# KiCad board PB-TMDSP.kicad_pcb
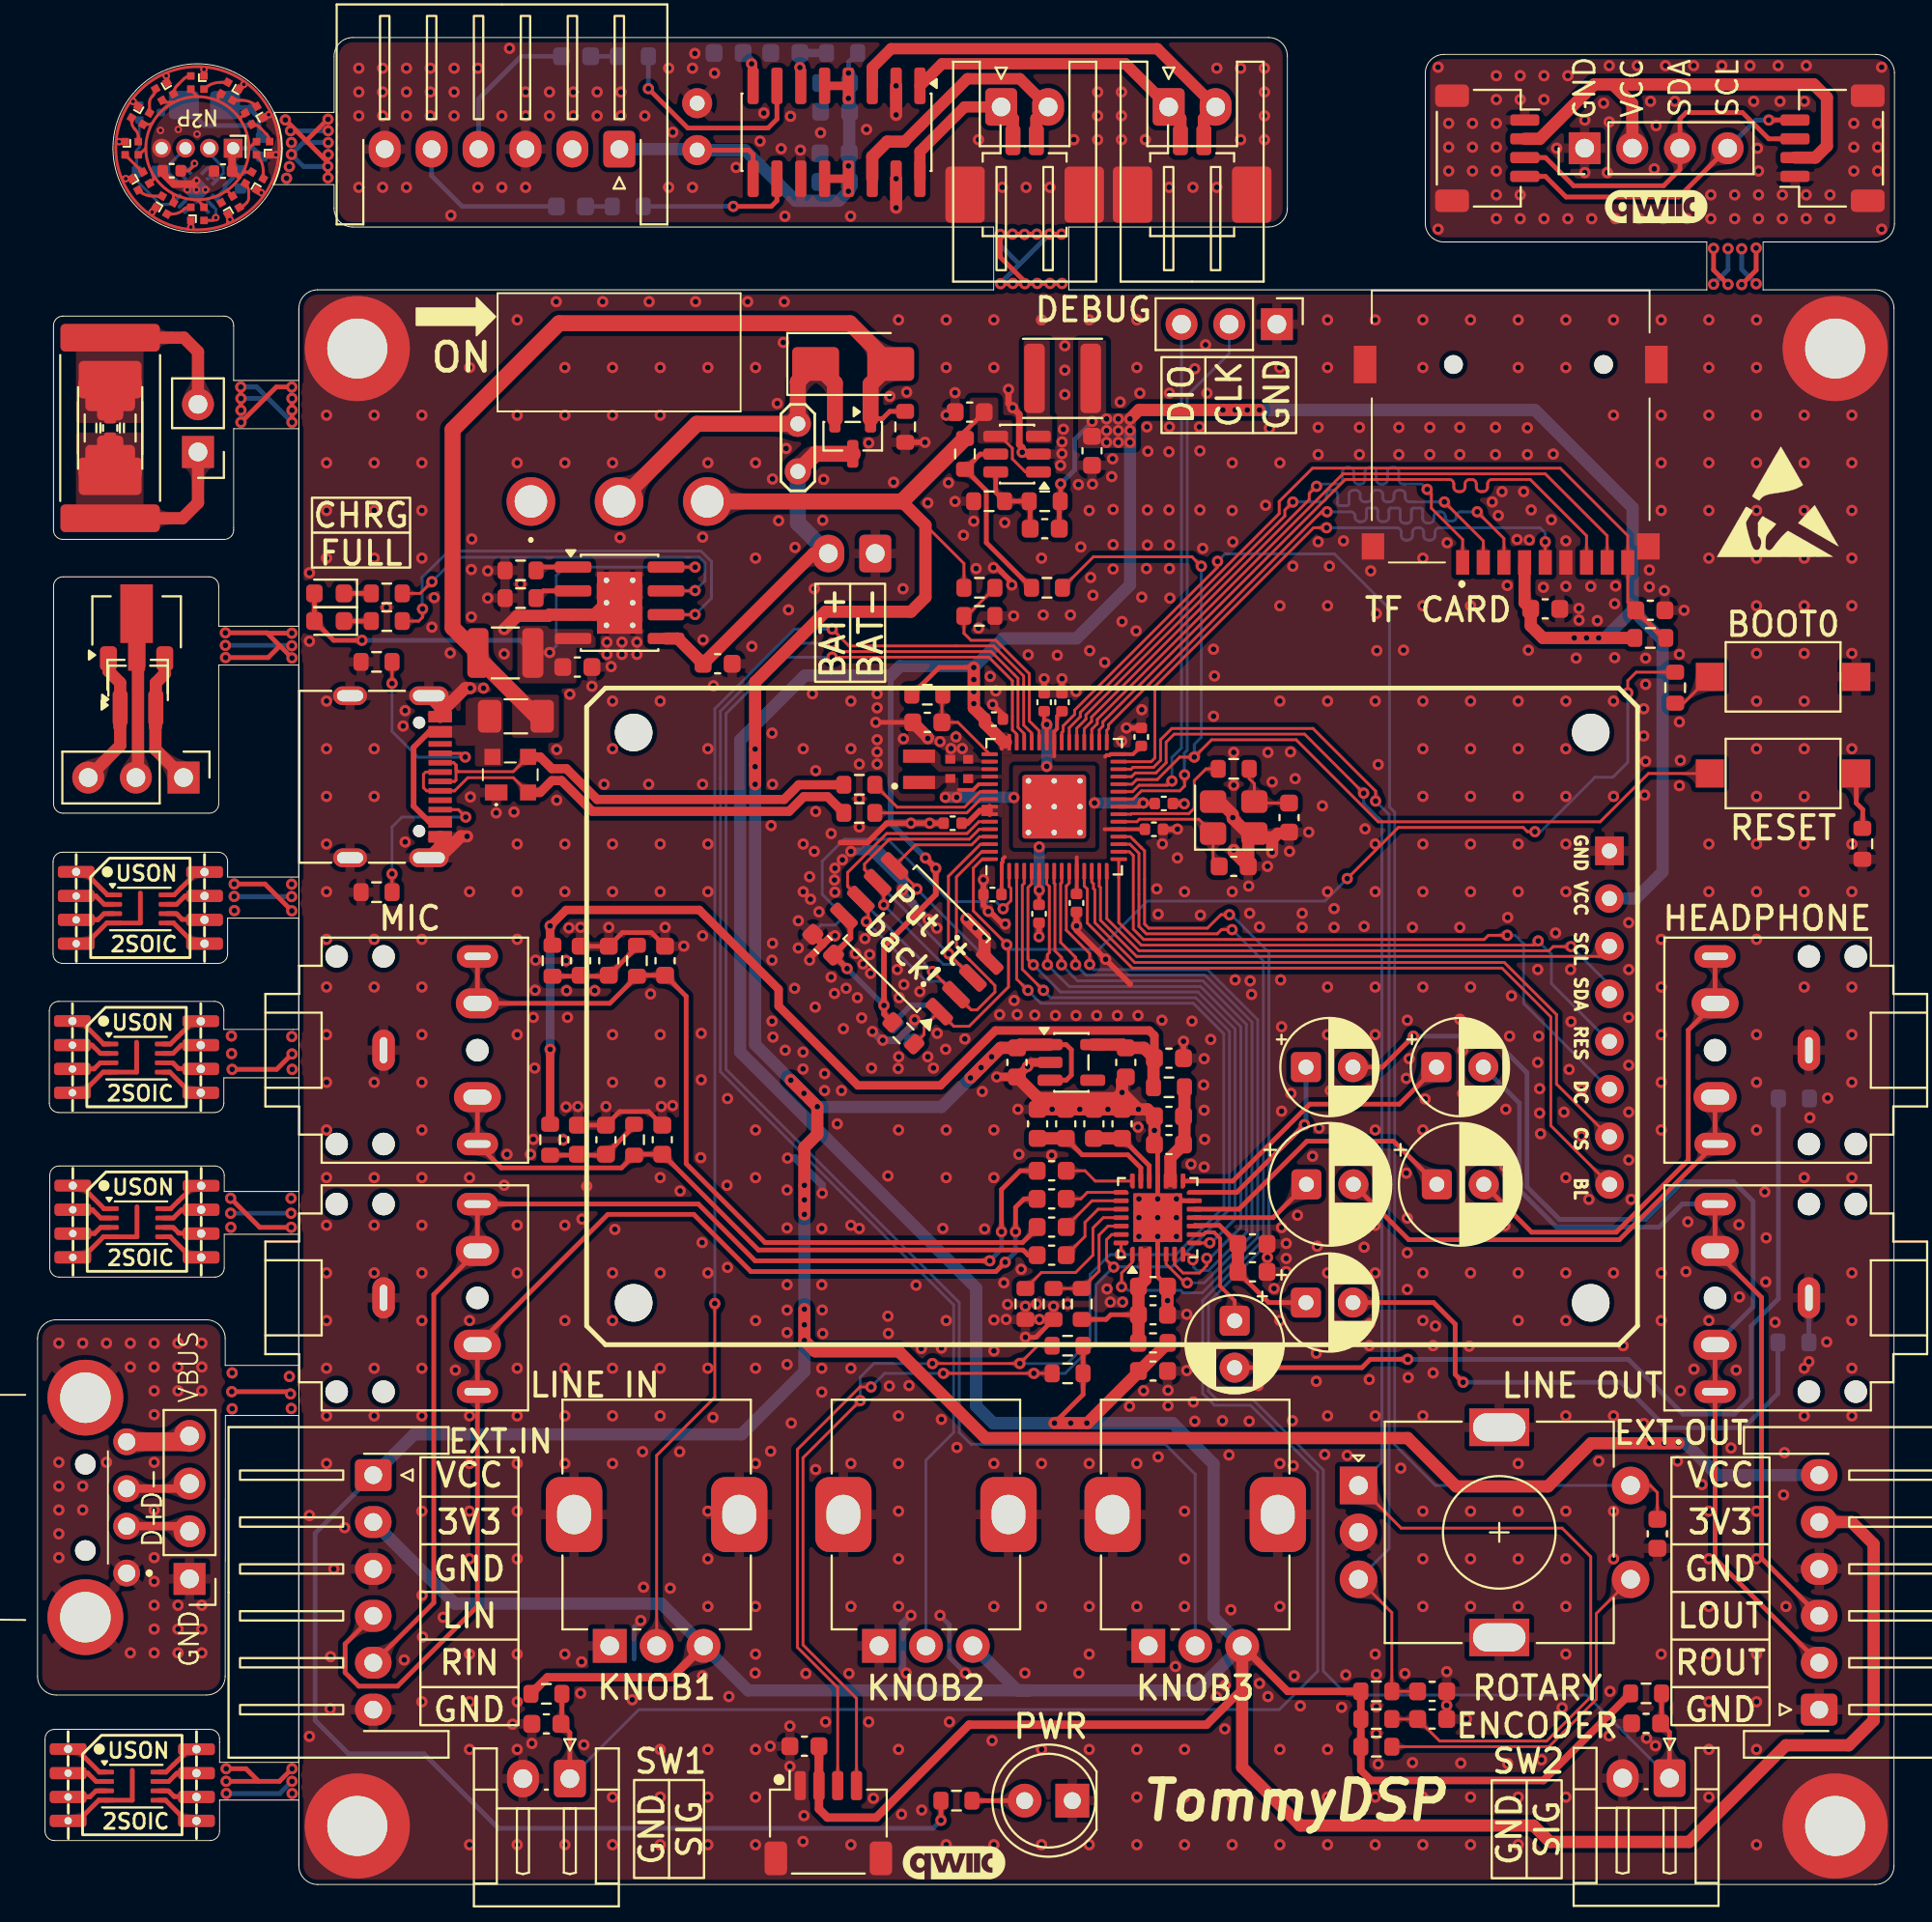
[diagram p0: board, top side]
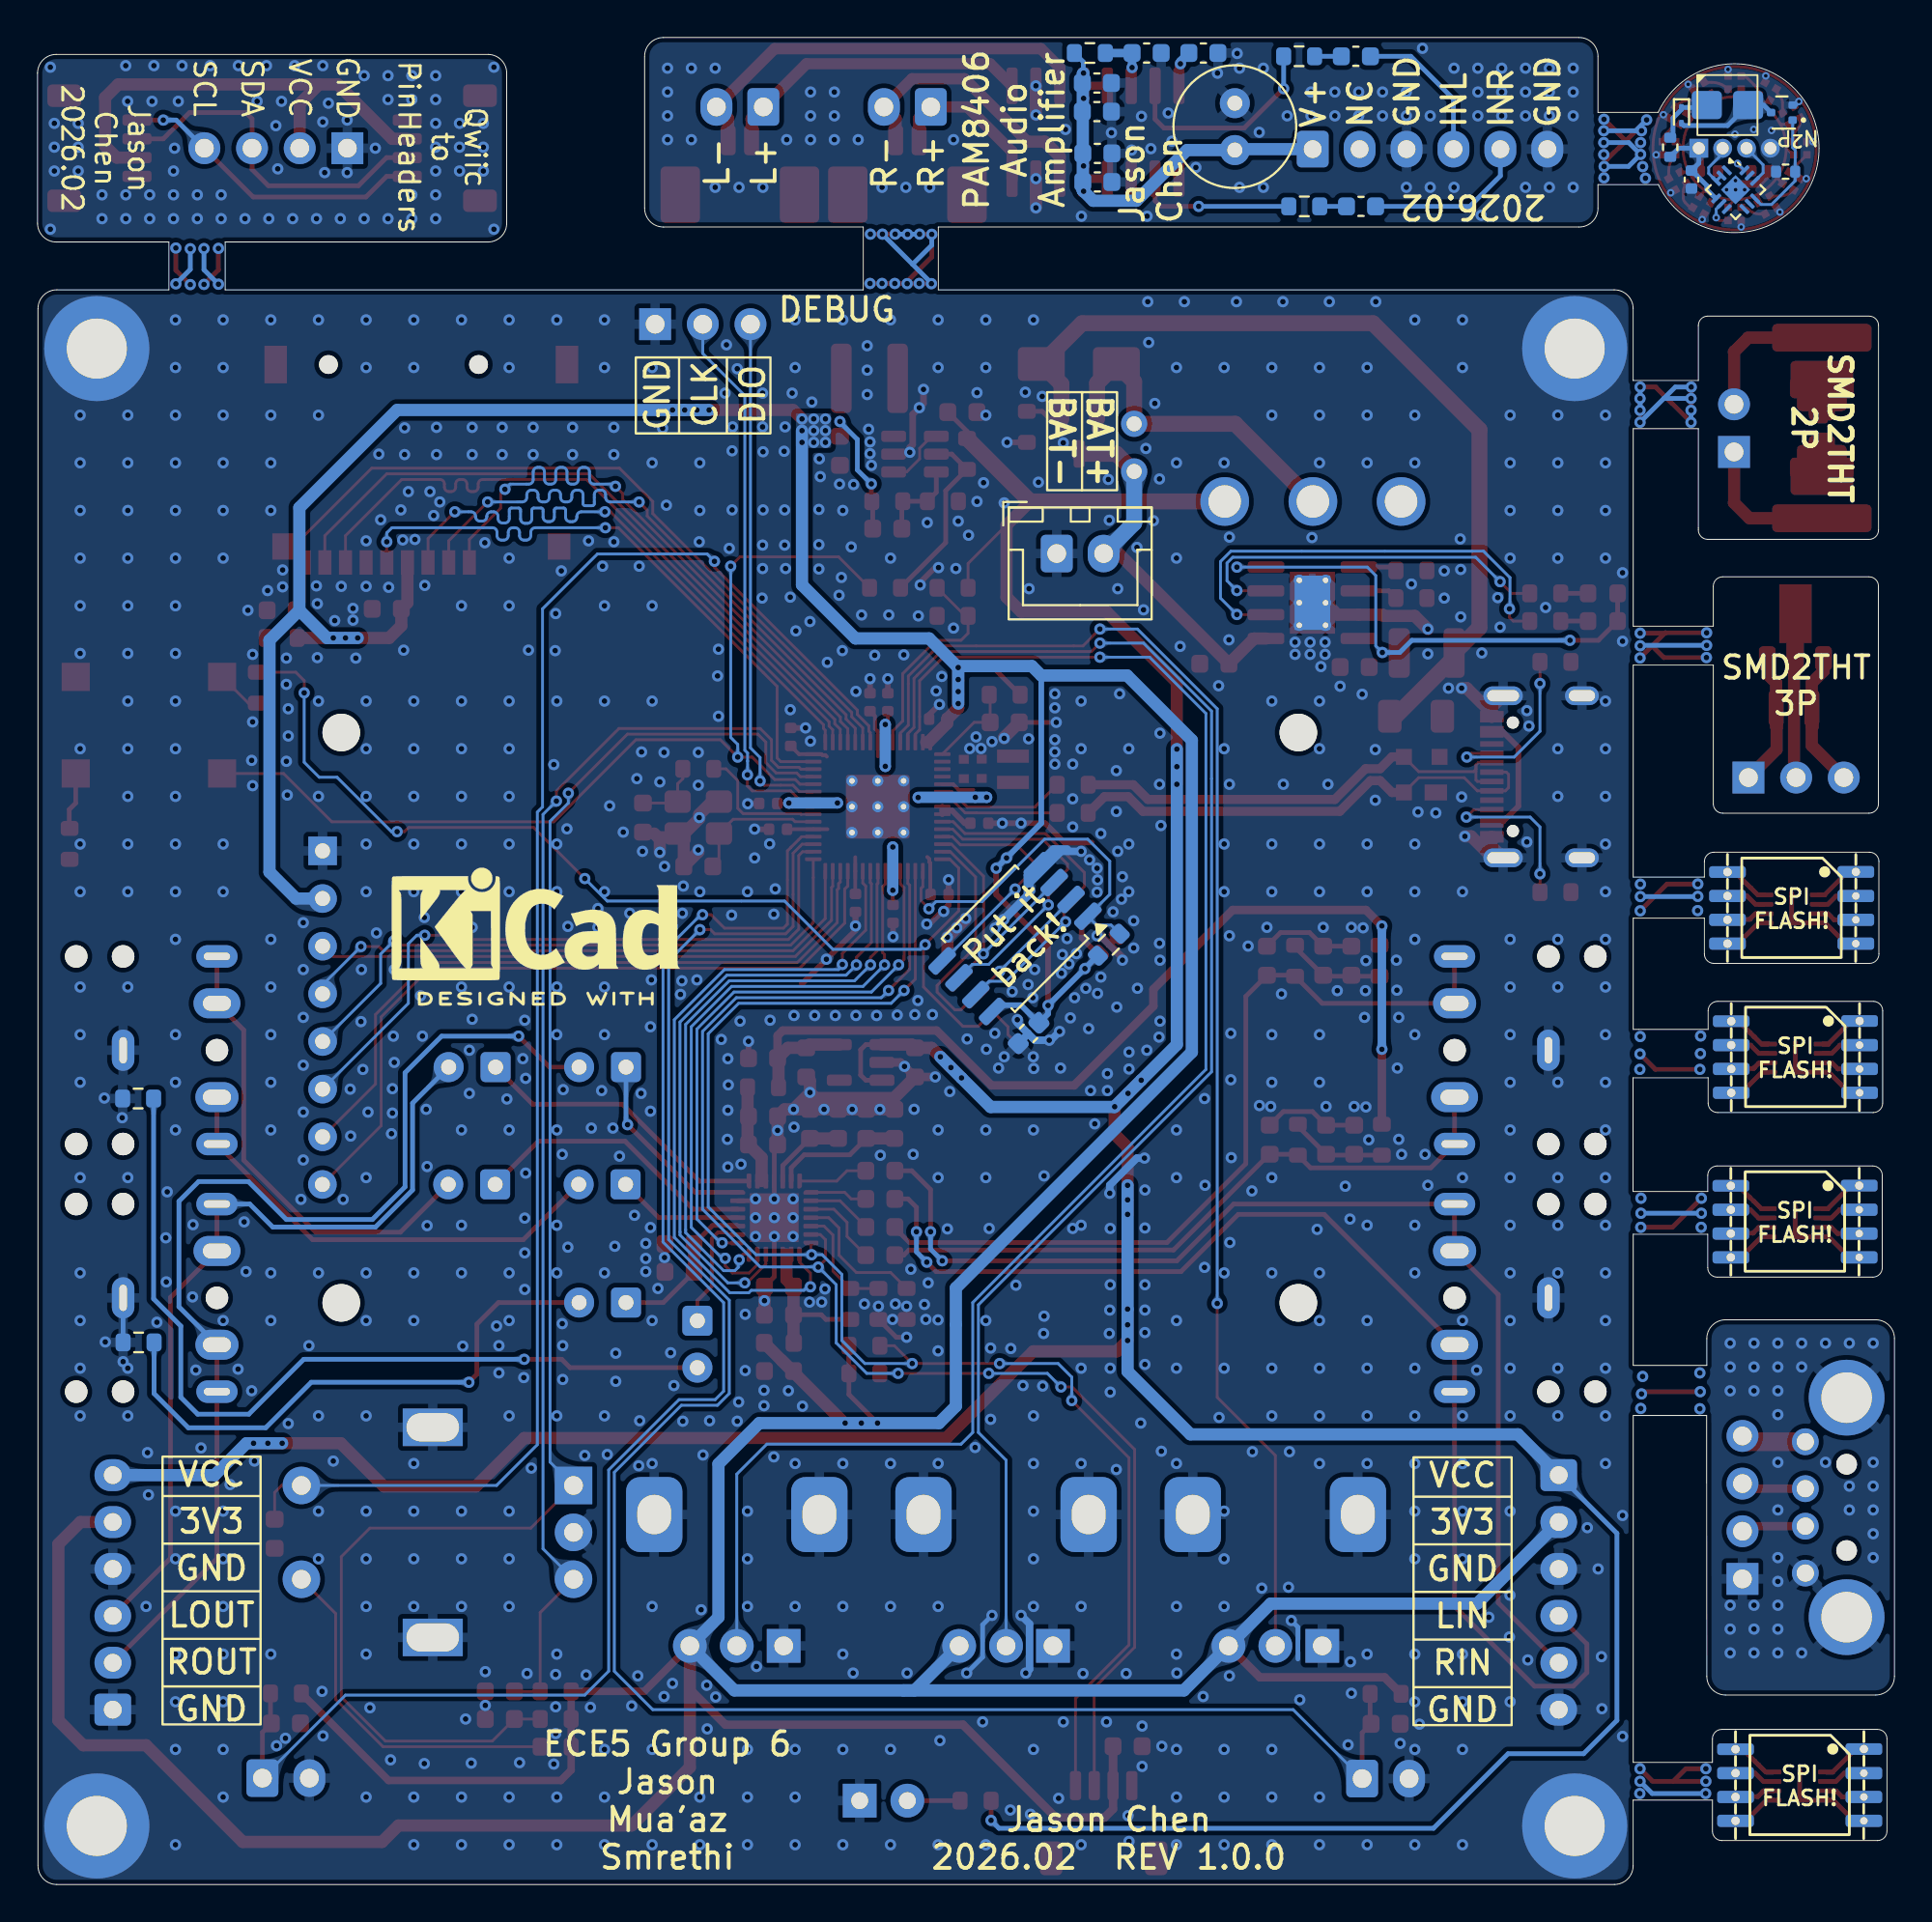
[diagram p1: board, bottom side, seen from below]

Outline 98.95 x 98.45 mm; copper layers: Top, Bottom. Coordinates in mm from the lower left corner of the outline.
Outline path: 9.7,7.77 arc(9.55,8.12) 9.2,8.27 0.9,8.27 arc(0.55,8.12) 0.4,7.77 0.4,2.84 arc(0.55,2.49) 0.9,2.34 9.2,2.34 arc(9.55,2.49) 9.7,2.84 9.7,4.5 13.93,4.5 13.93,1 arc(14.22,0.29) 14.93,0 97.93,0 arc(98.63,0.29) 98.93,1 98.93,84 arc(98.63,84.71) 97.93,85 ; 9.65,65 13.92,65 13.92,53.7 10.13,53.7 ; 9.65,67.07 9.65,69.2 arc(9.51,69.56) 9.15,69.7 1.35,69.7 arc(1,69.56) 0.85,69.2 0.85,57.6 arc(1,57.25) 1.35,57.1 9.15,57.1 arc(9.51,57.25) 9.65,57.6 9.65,65 ; 9.7,7.77 9.7,6.51 13.92,6.51 13.92,25 10.01,25 10,11.1 arc(9.71,10.39) 9,10.1 1,10.1 arc(0.29,10.39) 0,11.1 0,29.1 arc(0.29,29.81) 1,30.1 9,30.1 arc(9.71,29.81) 10,29.1 10,27.67 13.92,27.67 13.92,34.66 9.95,34.66 9.95,32.88 ; 9.93,45.58 9.93,46.57 arc(9.78,46.93) 9.43,47.07 1.13,47.07 arc(0.78,46.93) 0.63,46.57 0.63,41.65 arc(0.78,41.29) 1.13,41.15 9.43,41.15 arc(9.78,41.29) 9.93,41.65 ; 9.93,43 9.93,41.64 ; 9.93,43 13.93,43 ; 9.95,32.87 arc(9.8,32.52) 9.45,32.37 1.15,32.37 arc(0.8,32.52) 0.65,32.87 0.65,37.8 arc(0.8,38.15) 1.15,38.3 9.45,38.3 arc(9.8,38.15) 9.95,37.8 9.95,36.94 13.93,36.94 13.93,43 ; 10.13,53.7 10.13,54.52 arc(9.98,54.88) 9.63,55.02 1.33,55.02 arc(0.98,54.88) 0.83,54.52 0.83,49.6 arc(0.98,49.24) 1.33,49.1 9.63,49.1 arc(9.98,49.24) 10.13,49.6 10.13,51.51 ; 10.13,51.51 13.92,51.51 13.92,45.58 9.93,45.58 ; 9.66,67.07 13.92,67.07 13.92,77.6 10.45,77.6 10.45,72.2 arc(10.3,71.85) 9.95,71.7 1.35,71.7 arc(1,71.85) 0.85,72.2 0.85,83.1 arc(1,83.45) 1.35,83.6 9.95,83.6 arc(10.3,83.45) 10.45,83.1 10.45,80.17 13.93,80.17 13.93,84 arc(14.22,84.71) 14.93,85 50.95,85 50.95,88.35 16.8,88.35 arc(16.09,88.64) 15.8,89.35 15.8,90.61 12.58,90.61 arc(4.02,92.57) 12.59,94.46 15.8,94.46 15.8,97.45 arc(16.09,98.16) 16.8,98.45 65.6,98.45 arc(66.31,98.16) 66.6,97.45 66.6,89.35 arc(66.31,88.64) 65.6,88.35 54.95,88.35 54.95,85 88.95,85 88.95,87.55 74.95,87.55 arc(74.24,87.84) 73.95,88.55 73.95,96.55 arc(74.24,97.26) 74.95,97.55 97.95,97.55 arc(98.66,97.26) 98.95,96.55 98.95,88.55 arc(98.66,87.84) 97.95,87.55 91.95,87.55 91.95,85 97.92,85
Stack: Top 0.035mm / dielectric 1.51mm FR4 er 4.5 / Bottom 0.035mm

## Placement (name value [footprint] x y rotation side)
BZ1  Buzzer  [Buzzer_SMD_3.2x3.2mm]  8.9 94.85 90 bottom
C1  0.1u  [C_0402_1005Metric]  10.81 90.88 270 bottom
C1#2  220u 10V  [C_Radial_D6.3mm_H7.0mm_P2.50mm]  35.15 92.45 90 bottom
C2  0.1u  [C_0402_1005Metric]  9.89 91.33 180 top
C2#2  1u  [C_0603_1608Metric]  28.7 97.45 0 bottom
C3  0.1u  [C_0402_1005Metric]  7.15 91.35 180 top
C3#2  1u  [C_0603_1608Metric]  28.42 89.45 0 bottom
C4  10u  [C_0603_1608Metric]  42.5 96.02 180 bottom
C5  1uF  [C_0603_1608Metric]  36.83 97.62 180 bottom
C6  1u  [C_0603_1608Metric]  42.5 94.5 180 bottom
C7  1u  [C_0603_1608Metric]  39.85 97.62 0 bottom
C8  1u  [C_0603_1608Metric]  42.48 92.27 180 bottom
C9  10u  [C_0603_1608Metric]  42.48 90.75 180 bottom
C201  100n  [C_0603_1608Metric]  41.87 50.09 135 top
C202  100n  [C_0603_1608Metric]  46.14 45.37 315 bottom
C203  4.7u  [C_0402_1005Metric_small_pads]  49.59 59.46 90 top
C204  4.7u  [C_0402_1005Metric_small_pads]  48.64 59.47 90 top
C205  15p  [C_0603_1608Metric]  63.74 54.27 0 top
C206  15p  [C_0603_1608Metric]  66.69 56.87 270 top
C207  100n  [C_0402_1005Metric]  53.64 63.02 90 top
C208  4.7u  [C_0603_1608Metric]  47.42 61.94 180 top
C209  4.7u  [C_0402_1005Metric]  60.02 57.62 0 top
C210  100n  [C_0402_1005Metric]  53.36 51.74 270 top
C211  100n  [C_0402_1005Metric]  54.59 63.02 90 top
C212  100n  [C_0402_1005Metric]  55.36 52.32 270 top
C213  100n  [C_0402_1005Metric]  58.82 61.17 90 top
C214  100n  [C_0402_1005Metric]  59.49 56.24 0 top
C215  100n  [C_0402_1005Metric]  50.96 62.12 0 top
C216  100n  [C_0402_1005Metric]  50.89 52.77 180 top
C217  100n  [C_0402_1005Metric]  48.77 56.57 180 top
C301  4.7u  [C_0603_1608Metric]  64.74 34.14 0 top
C302  4.7u  [C_0603_1608Metric]  57.79 40.54 90 top
C303  4.7u  [C_0603_1608Metric]  54.79 40.54 90 top
C304  100n  [C_0603_1608Metric]  60.29 44.04 0 top
C305  100n  [C_0603_1608Metric]  64.74 32.66 0 top
C306  100n  [C_0603_1608Metric]  56.29 40.54 90 top
C307  100n  [C_0603_1608Metric]  53.29 40.54 90 top
C308  4.7uF  [C_0603_1608Metric]  59.44 30.37 0 top
C309  4.7uF  [C_0603_1608Metric]  60.29 40.94 180 top
C310  100n  [C_0603_1608Metric]  59.44 31.87 0 top
C311  100n  [C_0603_1608Metric]  60.29 39.44 180 top
C312  100n  [C_0603_1608Metric]  54.04 33.54 180 top
C313  100n  [C_0603_1608Metric]  54.04 35.04 180 top
C314  1u  [C_0603_1608Metric]  54.04 36.54 180 top
C315  1u  [C_0603_1608Metric]  54.04 38.04 180 top
C316  220u 6.3v  [CP_Radial_D6.3mm_P2.50mm]  74.57 37.32 0 top
C317  220u 6.3v  [CP_Radial_D6.3mm_P2.50mm]  67.61 37.32 0 top
C318  4.7u  [CP_Radial_D5.0mm_P2.50mm]  74.54 43.57 0 top
C319  4.7u  [CP_Radial_D5.0mm_P2.50mm]  67.59 43.57 0 top
C320  10u  [C_0603_1608Metric]  28.79 39.7 90 top
C321  100n  [C_0603_1608Metric]  30.29 39.7 90 top
C322  10n  [C_0603_1608Metric]  33.29 39.7 90 top
C323  10u  [C_0603_1608Metric]  28.94 49.24 90 top
C324  100n  [C_0603_1608Metric]  30.44 49.24 90 top
C325  10n  [C_0603_1608Metric]  33.44 49.24 90 top
C326  4.7u  [CP_Radial_D5.0mm_P2.50mm]  67.59 31.02 0 top  (not fitted)
C327  4.7u  [CP_Radial_D5.0mm_P2.50mm]  63.79 30.05 270 top  (not fitted)
C401  4.7u  [C_0603_1608Metric]  49.67 78.48 180 top
C402  1u  [C_0603_1608Metric]  52.19 43.82 270 top
C403  10u  [C_0603_1608Metric]  28.77 64.89 0 top
C404  4.7u  [C_0603_1608Metric]  57.99 43.82 270 top
C405  120p  [C_0603_1608Metric]  53.67 72.27 180 top
C406  22u  [C_0603_1608Metric]  56.19 76.42 270 top
C407  10u  [C_0603_1608Metric]  36.24 65.07 0 top
C501  100n  [C_0603_1608Metric]  27.12 8.56 180 top
C502  100n  [C_0603_1608Metric]  85.71 8.59 180 top
C503  100n  [C_0603_1608Metric]  80.34 67.99 0 top
C504  100n  [C_0603_1608Metric]  74.32 8.82 0 top
C505  100n  [C_0603_1608Metric]  74.32 10.29 0 top
C506  100n  [C_0603_1608Metric]  59.44 27.37 0 top
C507  100n  [C_0603_1608Metric]  85.94 67.92 0 top
C508  100n  [C_0603_1608Metric]  86.32 18.69 270 top
C509  100n  [C_0603_1608Metric]  40.87 7.37 180 top
D1  SK6812-EC10  [SK6805-EC10]  8.52 89.05 90 top
D2  SK6812-EC10  [SK6805-EC10]  6.77 89.52 60 top
D3  SK6812-EC10  [SK6805-EC10]  5.49 90.8 30 top
D4  SK6812-EC10  [SK6805-EC10]  5.02 92.55 0 top
D5  SK6812-EC10  [SK6805-EC10]  5.49 94.3 330 top
D6  SK6812-EC10  [SK6805-EC10]  6.77 95.58 300 top
D7  SK6812-EC10  [SK6805-EC10]  8.52 96.05 270 top
D8  SK6812-EC10  [SK6805-EC10]  10.27 95.58 240 top
D9  SK6812-EC10  [SK6805-EC10]  11.55 94.3 210 top
D10  SK6812-EC10  [SK6805-EC10]  12.02 92.55 180 top
D11  SK6812-EC10  [SK6805-EC10]  11.55 90.8 150 top
D12  SK6812-EC10  [SK6805-EC10]  10.27 89.52 120 top
D13  NSR0620P2T5G  [D_SOD-923]  11.35 94.3 270 bottom
D401  LED GREEN  [LED_0603_1608Metric]  15.54 67.34 180 top
D402  LED RED  [LED_0603_1608Metric]  15.54 68.82 180 top
D403  SS34  [D_SMA]  43.46 81.05 0 top
D404  PWR LED  [LED_D5.0mm]  55.14 4.47 180 top
D501  CD143A-SR05  [CD143ASR05]  25.19 59.16 0 top
F501  6V 1.1A  [Fuse_1206_3216Metric]  25.49 62.27 0 top
FB301  120Ω@100MHz 2A 50mΩ@DC  [L_0603_1608Metric]  59.44 28.87 180 top
G1  qwiic_Logo  [qwiic_5.5mm]  86.25 89.45 0 top
G501  qwiic_Logo  [qwiic_5.5mm]  48.84 1.17 0 top
H101  M3 MountingHole  [MountingHole_3.2mm_M3_DIN965_Pad_TopBottom]  17.04 81.87 0 top
H102  M3 MountingHole  [MountingHole_3.2mm_M3_DIN965_Pad_TopBottom]  17.04 3.12 0 top
H103  M3 MountingHole  [MountingHole_3.2mm_M3_DIN965_Pad_TopBottom]  95.79 81.87 0 top
H104  M3 MountingHole  [MountingHole_3.2mm_M3_DIN965_Pad_TopBottom]  95.79 3.12 0 top
J1  Conn_01x03_Pin  [PinHeader_1x03_P2.54mm_Vertical]  7.78 59 270 top
J1#2  Conn_01x04_Pin  [PinHeader_1x04_P2.54mm_Vertical]  82.44 92.55 90 top
J1#3  Conn_01x02  [PinHeader_1x02_P2.54mm_Vertical]  8.55 76.36 180 top
J1#4  EXT  [JST_XH_S6B-XH-A-1_1x06_P2.50mm_Horizontal]  31 92.5 180 top
J1#5  Conn_01x04  [PinHeader_1x04_P1.27mm_Vertical]  10.42 92.55 270 top
J1#6  USB-AM-S-F-B-TH  [USBAMSFBTH]  4.75 16.6 270 top
J2  JST-XH 2.54mm 2P  [JST_XH_S2B-XH-A_1x02_P2.50mm_Horizontal]  60.27 94.75 0 top
J2#2  Conn_01x04_Pin  [PinHeader_1x04_P2.54mm_Vertical]  8.1 16.29 180 top
J2#3  Qwiic  [JST_SH_SM04B-SRSS-TB_1x04-1MP_P1.00mm_Horizontal]  95.65 92.55 90 top
J3  Qwiic  [JST_SH_SM04B-SRSS-TB_1x04-1MP_P1.00mm_Horizontal]  77.25 92.55 270 top
J3#2  JST-XH 2.54mm 2P  [JST_XH_S2B-XH-A_1x02_P2.50mm_Horizontal]  51.35 94.75 0 top
J4  PicoBlade_2P_P1.25mm_Horizontal  [Molex_PicoBlade_53261-0271_1x02-1MP_P1.25mm_Horizontal]  52.6 90.57 0 top
J6  PicoBlade_2P_P1.25mm_Horizontal  [Molex_PicoBlade_53261-0271_1x02-1MP_P1.25mm_Horizontal]  61.52 90.57 0 top
J401  Conn_01x02_Pin  [JST_XH_B2B-XH-A_1x02_P2.50mm_Vertical]  44.64 70.94 180 bottom
J501  USB_C_Receptacle_USB2.0_16P  [USB_C_Receptacle_G-Switch_GT-USB-7010ASV]  17.73 59.04 270 top
J502  AudioJack3_SwitchTR  [Jack_3.5mm_CUI_SJ1-3525N_Horizontal]  18.44 44.47 270 top
J503  XH-2.50mm Horizontal  [JST_EH_S2B-EH_1x02_P2.50mm_Horizontal]  28.37 5.64 180 top
J504  AudioJack3_SwitchTR  [Jack_3.5mm_CUI_SJ1-3525N_Horizontal]  18.44 31.27 270 top
J505  EXT.IN  [JST_XH_S6B-XH-A-1_1x06_P2.50mm_Horizontal]  17.89 21.82 270 top
J506  AudioJack3_SwitchTR  [Jack_3.5mm_CUI_SJ1-3525N_Horizontal]  94.39 44.47 90 top
J507  XH-2.50mm Horizontal  [JST_EH_S2B-EH_1x02_P2.50mm_Horizontal]  86.96 5.67 180 top
J508  EXT.OUT  [JST_XH_S6B-XH-A-1_1x06_P2.50mm_Horizontal]  94.94 9.32 90 top
J509  Conn_01x03_Pin  [PinHeader_1x03_P2.54mm_Vertical]  66.04 83.17 270 top
J510  AudioJack3_SwitchTR  [Jack_3.5mm_CUI_SJ1-3525N_Horizontal]  94.39 31.27 90 top
J511  Micro_SD_Card_Det1  [TF01A]  78.5 77.72 180 top
J512  Qwiic  [JST_SH_SM04B-SRSS-TB_1x04-1MP_P1.00mm_Horizontal]  42.14 3.27 0 top
JP401  Jumper_2_Open  [TestPoint_2Pads_Pitch2.54mm_Drill0.8mm]  40.52 75.32 90 top  (not fitted)
L201  3.3u  [L_pol_2016]  46.97 59.44 90 top
L401  1u  [L_APV_ANR4020]  54.62 80.28 0 top
LCD501  -  [1.8'_ST7735_128x160_TFT_Module]  60.59 46.39 270 top
Q1  SOT23  [SOT-23_Handsoldering]  5.35 64.2 90 top
Q1#2  NTK3134N  [SOT-723]  6 94.45 0 bottom
Q2  SOT23W  [SOT-23W_Handsoldering]  5.33 64.2 90 top
Q3  SOT89-3  [SOT-89-3]  5.28 67.3 90 top
Q401  AO3401A  [SOT-23]  43.44 77.2 270 top
R1  R  [R_0402_1005Metric]  3.87 77.64 90 top
R1#2  10k  [R_0603_1608Metric]  31.73 97.45 0 bottom
R1#3  10k  [R_0402_1005Metric]  5.8 91.3 0 bottom
R2  R  [R_0603_1608Metric]  3.87 77.64 90 top
R2#2  10  [R_0402_1005Metric]  11.95 92.6 90 bottom
R2#3  10k  [R_0603_1608Metric]  31.45 89.45 0 bottom
R3  R  [R_0805_2012Metric]  3.87 77.64 90 top
R3#2  0  [R_0603_1608Metric]  42.88 97.62 180 bottom
R4  R  [R_1210_3225Metric]  3.87 77.64 90 top
R5  R  [R_1812_4532Metric]  3.87 77.64 90 top
R6  R  [R_2512_6332Metric]  3.87 77.64 90 top
R7  R  [R_4020_10251Metric]  3.87 77.64 90 top
R101  0  [R_0603_1608Metric]  53.79 69.12 180 top
R102  4.7k  [R_0603_1608Metric]  54.89 27.24 180 top
R103  4.7k  [R_0603_1608Metric]  54.89 28.72 180 top
R201  DNF  [R_0603_1608Metric]  46.14 45.37 315 top  (not fitted)
R202  DNF  [R_0603_1608Metric]  41.87 50.09 135 bottom  (not fitted)
R203  1k  [R_0603_1608Metric]  97.24 55.47 270 top
R204  33  [R_0603_1608Metric]  47.42 63.42 0 top
R205  1k  [R_0603_1608Metric]  87.27 63.79 270 top
R206  1k  [R_0603_1608Metric]  63.74 59.47 0 top
R207  27  [R_0603_1608Metric]  43.79 57.12 0 top
R208  27  [R_0603_1608Metric]  43.79 58.62 0 top
R301  0  [R_0603_1608Metric]  55.64 30.94 90 top  (not fitted)
R302  0  [R_0603_1608Metric]  54.14 30.94 90 top
R303  10  [R_0603_1608Metric]  60.29 42.49 0 top
R304  1k  [R_0603_1608Metric]  27.31 39.7 270 top
R305  2.2k  [R_0603_1608Metric]  31.79 39.7 270 top
R306  1k  [R_0603_1608Metric]  27.44 49.24 270 top
R307  2.2k  [R_0603_1608Metric]  31.94 49.24 270 top
R308  0  [R_0603_1608Metric]  93.57 28.89 180 bottom  (not fitted)
R309  0  [R_0603_1608Metric]  93.59 41.89 0 bottom  (not fitted)